# Altium PCB Evaluation Board.PcbDoc (part 21 of 22)
Units mm, origin at the board's own origin, x right, y up, seen from the top; angles counter-clockwise.
Board outline 200 x 200 mm, 4 copper layers (Top Layer, GND, Power, Bottom Layer), stack 1.56 mm thick; 639 components, 758 nets, 3043 pads, 1306 vias.
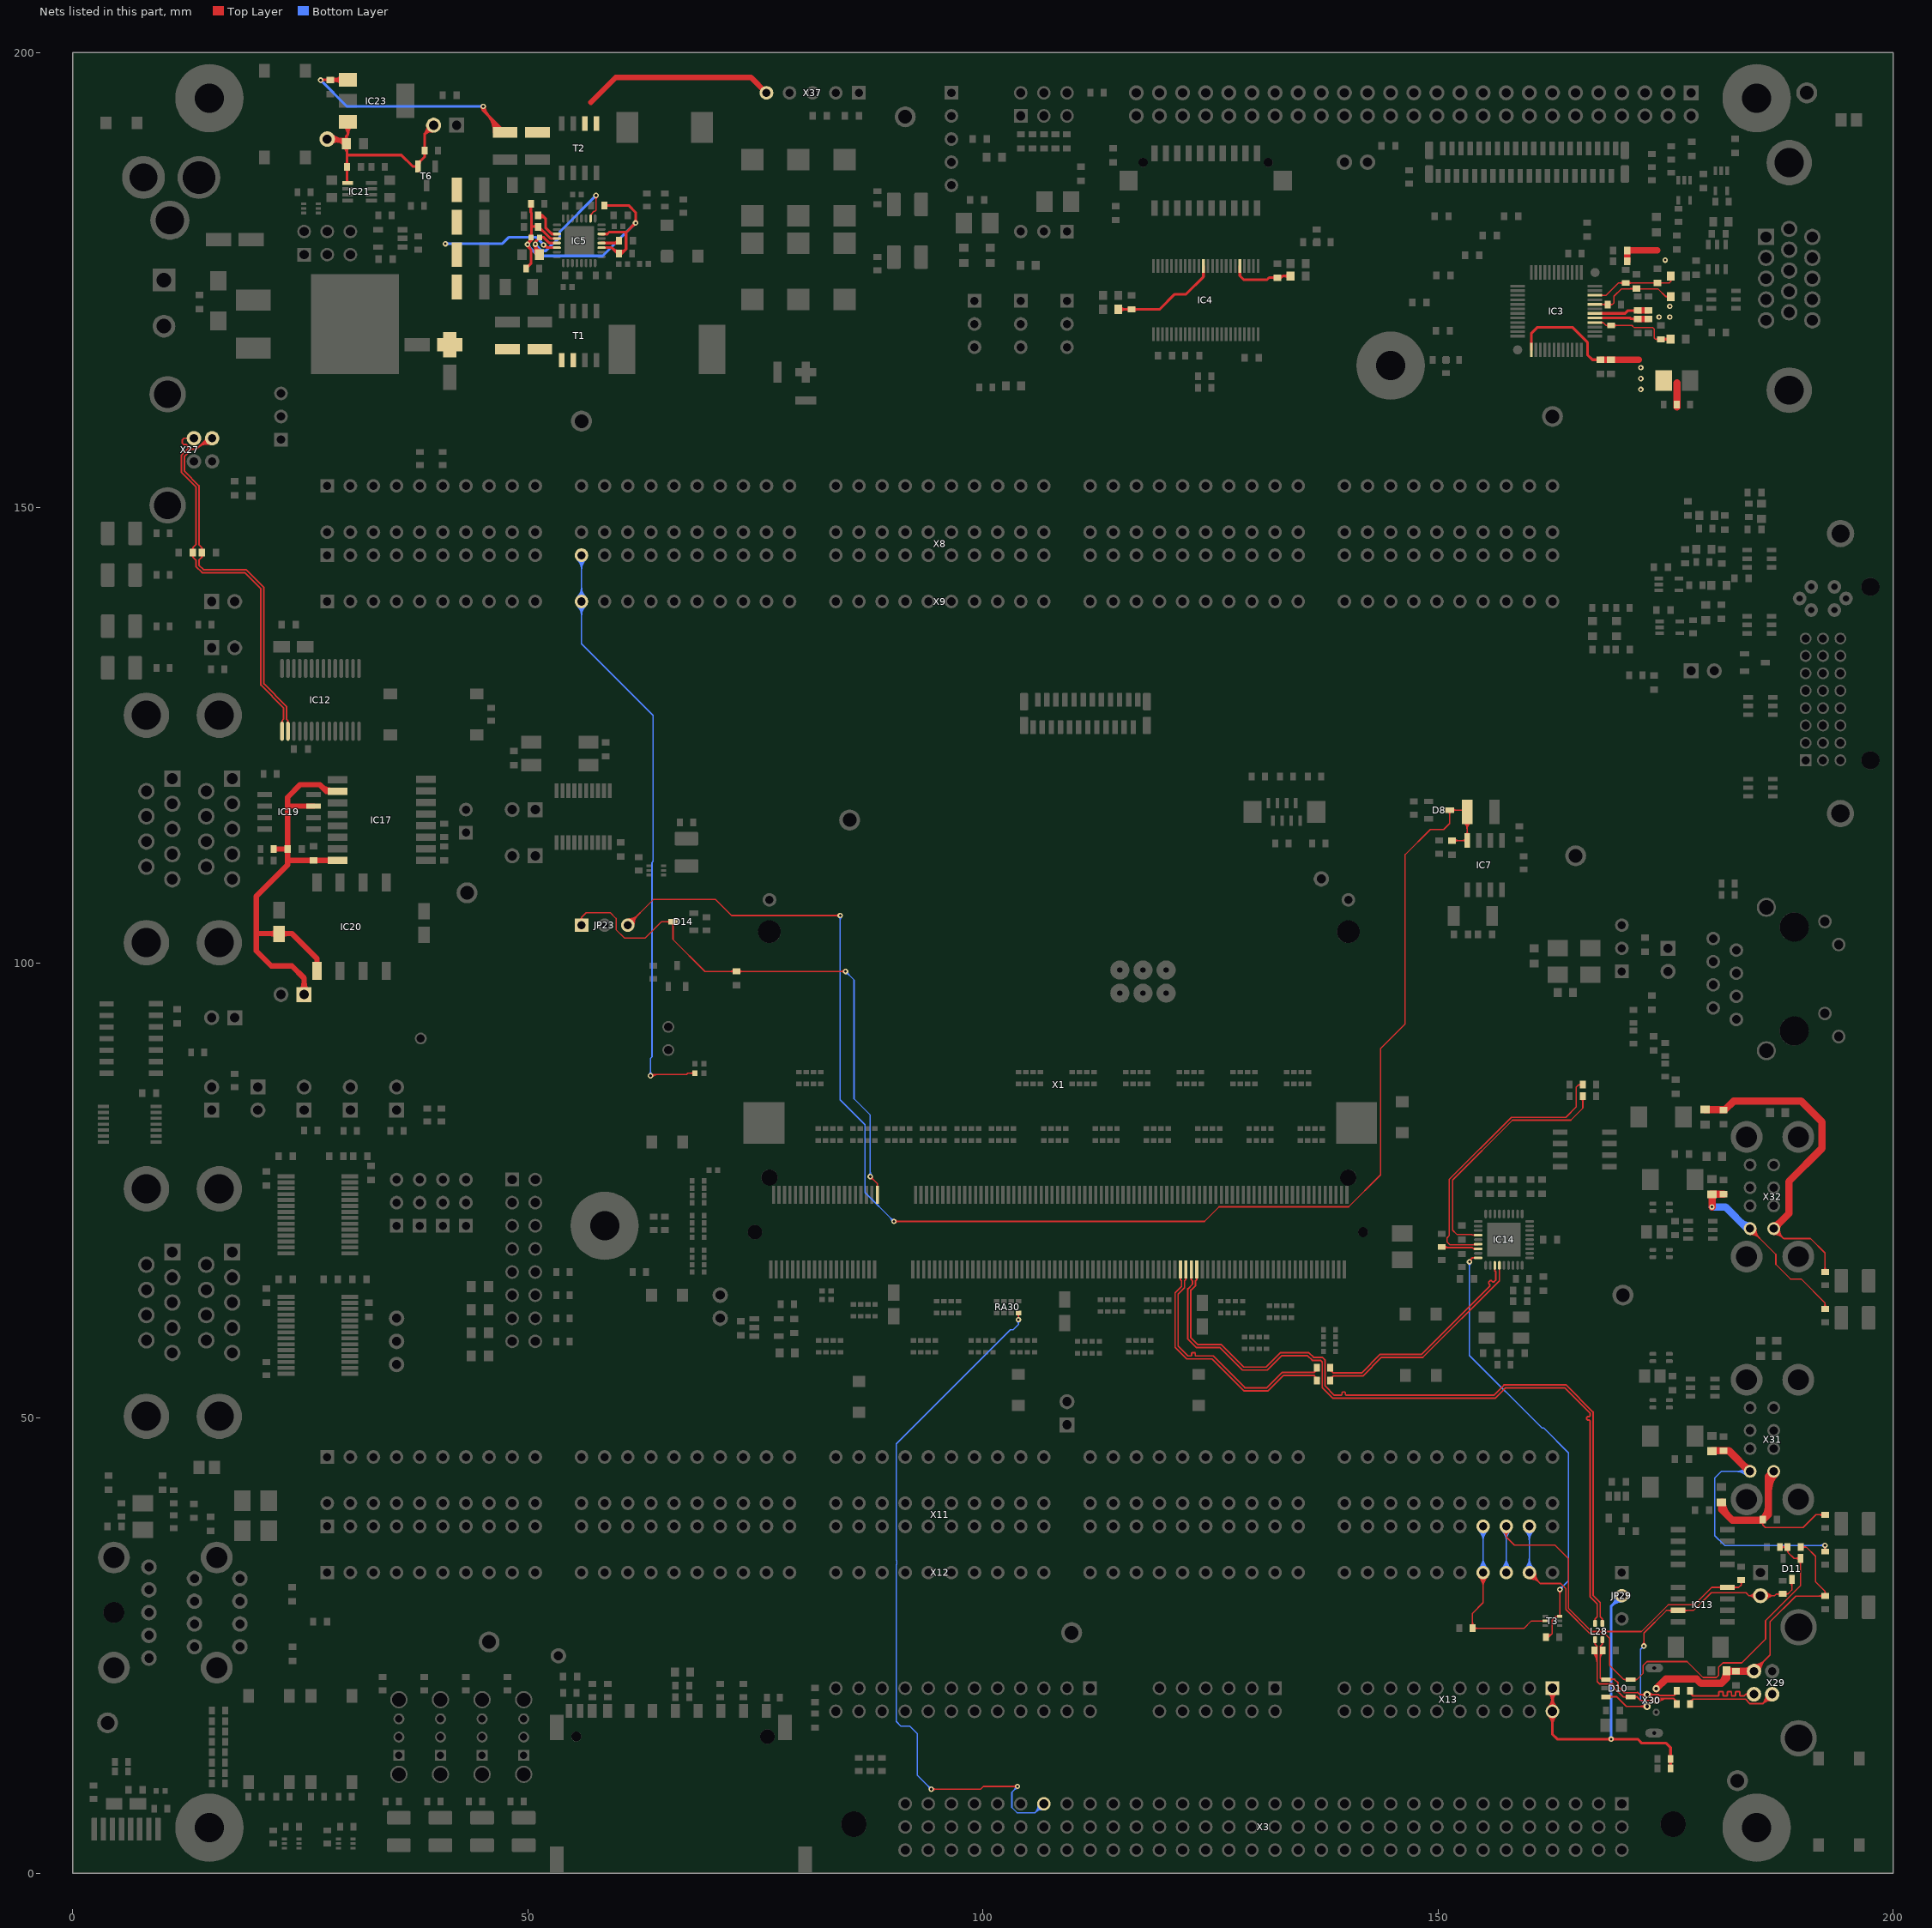
[diagram p23: the nets of this part, all layers, seen from the top]

## Via types
v1: diameter 0.6, hole 0.3, Top Layer to Bottom Layer, 1222 vias
v2: diameter 0.6, hole 0.3, Top Layer to Bottom Layer, tented both sides, 84 vias

## Nets (pads, with @x,y where several pads share a name; then routed paths per layer and width w, separated by ;. In a path a pad name is that pad's centre, name@x,y a point inside that pad or via, vN(x,y) a via of type N, cw(c..) or ccw(c..) an arc to the next point about the centre after c; other vN are vias at no path point) (continued)
USB_C_DET: D10.3 D11.1 R73.1 R74.2 X11.A49 X12.49 | length 80.3
  Top Layer w0.15: X12.49@160.02,32.345 cw(c160.02,30.715) 161.172,31.868 cw(c162.325,33.02) X12.49@160.695,33.02 ; X12.49@160.02,32.495 cw(c160.02,31.228) 160.916,32.124 cw(c161.812,33.02) X12.49@160.545,33.02 ; X12.49@160.02,32.645 cw(c160.02,31.74) 160.66,32.38 cw(c161.3,33.02) X12.49@160.395,33.02 ; X12.49@160.02,33.02 161.215,31.825 163.456,31.825 164.025,31.256 164.025,28.968 166.75,26.244 168.4,26.244 168.825,25.819 168.825,22.85 170.406,21.269 D10.3@171.147,21.269 171.844,21.269 ; D10.3@170.748,21.145 ccw(c170.449,20.847) 170.449,21.269 ccw(c170.449,21.692) D10.3@170.748,21.393 ; D10.3@171.545,21.145 cw(c171.844,20.847) 171.844,21.269 ; D10.3@171.545,21.393 ccw(c171.844,21.692) 171.844,21.269 ; R74.2@187.549,35.819 R73.1@188.385,35.819 188.431,35.773 188.431,35.246 189.096,34.581 D11.1@189.806,34.581 ; R74.2@187.726,35.642 cw(c188.153,35.215) 188.153,35.819 cw(c188.153,36.422) R74.2@187.726,35.995 ; R73.1@188.208,35.642 ccw(c187.781,35.215) 187.781,35.819 ccw(c187.781,36.422) R73.1@188.208,35.995 ; R73.1@188.275,35.494 cw(c188.152,35.243) 188.431,35.243 cw(c188.836,35.243) R73.1@188.557,35.537 ; D11.1@189.647,34.222 cw(c189.277,33.852) 189.8,33.852 ; D11.1@189.647,34.422 ccw(c189.263,34.038) 189.263,34.581 ccw(c189.263,35.124) D11.1@189.647,34.74 ; 189.8,33.823 cw(c190.364,33.823) D11.1@189.965,34.222 ; D11.1@189.8,34.575 189.8,31.566 185.975,27.741 185.975,25.725 183.35,23.1 181.275,23.1 180.825,22.65 180.825,21.75 180.575,21.5 179.1,21.5 177.354,23.246 172.946,23.246 172.536,22.836 172.536,21.961 171.844,21.269 ; D11.1@189.8,34.677 D11.1@189.806,34.683
  Bottom Layer w0.15: X12.49@159.543,33.497 ccw(c158.39,34.65) 160.02,34.65 ccw(c161.65,34.65) X12.49@160.497,33.497 ; X11.A49@159.543,37.623 cw(c158.39,36.47) 160.02,36.47 cw(c161.65,36.47) X11.A49@160.497,37.623 ; X12.49@159.649,33.391 ccw(c158.753,34.287) 160.02,34.287 ccw(c161.287,34.287) X12.49@160.391,33.391 ; X11.A49@159.649,37.729 cw(c158.753,36.833) 160.02,36.833 cw(c161.287,36.833) X11.A49@160.391,37.729 ; X12.49@159.755,33.285 ccw(c159.115,33.925) 160.02,33.925 ccw(c160.925,33.925) X12.49@160.285,33.285 ; X11.A49@159.755,37.835 cw(c159.115,37.195) 160.02,37.195 cw(c160.925,37.195) X11.A49@160.285,37.835 ; X12.49@160.02,33.02 X11.A49@160.02,38.1
USB_CFG_SEL1: IC14.25 R84.1 R85.1 | length 7.6
  Top Layer w0.15: R84.1@150.368,68.797 150.44,68.725 153.75,68.725 ; 153.91,68.565 ccw(c154.038,68.692) IC14.25@154.105,68.525 ; IC14.25@154.024,68.542 ccw(c153.896,68.414) 153.896,68.595 ccw(c153.896,68.776) IC14.25@154.024,68.648 ; IC14.25@154.049,68.664 cw(c153.946,68.92) 153.75,68.725 ; IC14.25@154.402,68.595 153.88,68.595 153.75,68.725 ; R84.1@150.539,68.868 ccw(c150.883,69.212) 150.883,68.725 cw(c150.883,69.212) R84.1@150.539,68.868 ; R84.1@150.645,68.62 cw(c150.898,68.367) 150.898,68.725 ccw(c150.898,68.367) R84.1@150.645,68.62 ; R84.1@150.645,68.974 ccw(c151.245,69.574) 151.245,68.725 cw(c151.245,69.574) R84.1@150.645,68.974
USB_ID: D10.6 D11.3 IC13.3 JP2.2 R71.2 X30.4 | length 50.6
  Top Layer w0.15: v1@172.441,25.109 ccw(c172.057,25.493) 172.6,25.493 ccw(c173.143,25.493) v1@172.759,25.109 ; v1(172.6,24.95) 172.6,26.375 175.084,28.859 IC13.3@176.37,28.859 178.059,28.859 180,30.8 183.825,30.8 184.145,30.48 ; IC13.3@175.711,28.7 ccw(c175.327,28.316) 175.327,28.859 ccw(c175.327,29.402) IC13.3@175.711,29.018 ; IC13.3@177.029,28.7 cw(c177.413,28.316) 177.413,28.859 cw(c177.413,29.402) IC13.3@177.029,29.018 ; JP2.2@184.764,30.116 ccw(c184.145,29.771) 184.145,30.48 ; JP2.2@184.764,30.844 cw(c184.145,31.189) 184.145,30.48 ; JP2.2@184.896,30.188 ccw(c184.4,29.913) 184.4,30.48 ccw(c184.4,31.047) JP2.2@184.896,30.772 ; JP2.2@185.775,30.203 cw(c186.341,29.763) 186.341,30.48 cw(c186.341,31.197) JP2.2@185.775,30.757 ; JP2.2@185.893,30.111 cw(c186.648,29.523) 186.648,30.48 cw(c186.648,31.437) JP2.2@185.893,30.849 ; JP2.2@186.012,30.019 cw(c186.955,29.284) 186.955,30.48 ; JP2.2@186.012,30.941 ccw(c186.955,31.676) 186.955,30.48 ; 187.194,30.65 cw(c187.194,30.128) R71.2@187.563,30.497 ; R71.2@187.554,30.841 cw(c187.125,31.227) 187.125,30.65 ; R71.2@188.144,30.529 cw(c188.424,30.331) 188.424,30.674 ; R71.2@188.144,30.819 ccw(c188.424,31.017) 188.424,30.674 ; D11.3@188.697,31.922 cw(c188.313,31.538) 188.856,31.538 cw(c189.399,31.538) D11.3@189.015,31.922 ; D11.3@188.699,32.124 D11.3@188.856,32.281 188.856,31.106 188.424,30.674 ; 184.145,30.48 JP2.2@185.42,30.48 186.955,30.48 ; 186.955,30.48 187.125,30.65 ; 187.125,30.65 187.816,30.65 R71.2@187.84,30.674 188.424,30.674
  Top Layer w0.178: D10.6@168.446,19.369 169.625,19.369 170.673,18.321 X30.4@172.956,18.321 ; D10.6@168.835,19.255 cw(c169.11,18.98) 169.11,19.369 cw(c169.11,19.758) D10.6@168.835,19.483 ; X30.4@172.736,18.101 ccw(c172.205,17.57) 172.205,18.321 ccw(c172.205,19.072) X30.4@172.736,18.541
  Bottom Layer w0.15: v1@172.376,24.935 cw(c171.945,24.905) 172.25,24.6 ; v1@172.585,24.726 ccw(c172.555,24.295) 172.25,24.6 ; v1(172.6,24.95) 172.25,24.6 ; X30.4@172.631,18.321 ccw(c171.846,18.321) 172.401,18.876 ccw(c172.956,19.431) X30.4@172.956,18.646 ; X30.4@172.781,18.321 ccw(c172.359,18.321) 172.657,18.62 ccw(c172.956,18.918) X30.4@172.956,18.496 ; X30.4@172.956,18.321 172.25,19.027 172.25,24.6
USB_OC#: IC13.8 R70.1 X11.A48 X12.48 | length 59.2
  Top Layer w0.15: X11.A48@157.149,37.512 cw(c156.829,36.945) 157.48,36.945 ; X11.A48@157.222,37.643 cw(c156.974,37.202) 157.48,37.202 cw(c157.986,37.202) X11.A48@157.738,37.643 ; X11.A48@157.48,38.1 157.48,36.945 ; X11.A48@157.811,37.512 ccw(c158.131,36.945) 157.48,36.945 ; IC13.8@181.111,31.24 ccw(c180.727,30.856) 180.727,31.399 ccw(c180.727,31.942) IC13.8@181.111,31.558 ; IC13.8@182.429,31.24 cw(c182.813,30.856) 182.813,31.399 cw(c182.813,31.942) IC13.8@182.429,31.558 ; R70.1@183.137,32.028 cw(c182.816,31.664) 183.302,31.664 ; R70.1@183.302,32.216 183.302,31.664 ; R70.1@183.467,32.028 ccw(c183.787,31.664) 183.302,31.664 ; 157.48,36.945 158.375,36.05 162.825,36.05 164.325,34.55 164.325,29.093 166.874,26.544 172.344,26.544 175.276,29.475 178.125,29.475 180.049,31.399 IC13.8@181.77,31.399 183.037,31.399 183.302,31.664
  Bottom Layer w0.15: X12.48@157.003,33.497 ccw(c155.85,34.65) 157.48,34.65 ccw(c159.11,34.65) X12.48@157.957,33.497 ; X11.A48@157.003,37.623 cw(c155.85,36.47) 157.48,36.47 cw(c159.11,36.47) X11.A48@157.957,37.623 ; X12.48@157.109,33.391 ccw(c156.213,34.287) 157.48,34.287 ccw(c158.747,34.287) X12.48@157.851,33.391 ; X11.A48@157.109,37.729 cw(c156.213,36.833) 157.48,36.833 cw(c158.747,36.833) X11.A48@157.851,37.729 ; X12.48@157.215,33.285 ccw(c156.575,33.925) 157.48,33.925 ccw(c158.385,33.925) X12.48@157.745,33.285 ; X11.A48@157.215,37.835 cw(c156.575,37.195) 157.48,37.195 cw(c158.385,37.195) X11.A48@157.745,37.835 ; X12.48@157.48,33.02 X11.A48@157.48,38.1
USB_PE: IC14.27 R140.1 T3.6 | length 54.7
  Top Layer w0.15: v1@153.429,67.323 153.701,67.595 ; v1@153.509,67.19 cw(c153.71,67.288) 153.552,67.446 ; v1@153.644,67.256 cw(c153.91,67.385) 153.701,67.595 ; IC14.27@154.024,67.542 ccw(c153.896,67.414) 153.896,67.595 ccw(c153.896,67.776) IC14.27@154.024,67.648 ; IC14.27@154.402,67.595 153.701,67.595 ; R140.1@161.724,25.87 ccw(c161.905,26.143) R140.1@162.136,25.911 ; R140.1@161.807,25.995 ccw(c162.009,26.298) 162.266,26.041 ; R140.1@161.835,25.937 162.162,25.937 ; R140.1@161.89,26.12 ccw(c162.112,26.454) 162.395,26.17 ; R140.1@161.973,26.245 ccw(c162.216,26.609) 162.525,26.3 ; R140.1@162.076,25.871 cw(c162.162,25.848) 162.162,25.937 ; R140.1@162.076,26.003 ccw(c162.162,26.026) 162.162,25.937 ; T3.6@163.162,28.162 ccw(c163.034,28.034) 163.034,28.215 ccw(c163.034,28.396) T3.6@163.162,28.268 ; v1@163.214,31.007 cw(c162.83,30.623) 163.373,30.623 cw(c163.916,30.623) v1@163.532,31.007 ; T3.6@163.297,28.268 ccw(c163.114,28.451) 163.373,28.451 ; v1(163.373,31.166) 163.373,28.238 T3.6@163.35,28.215 162.94,28.215 162.525,27.8 162.525,26.3 ; 162.162,25.937 162.525,26.3
  Bottom Layer w0.15: v1@153.282,66.999 cw(c152.898,66.614) 153.441,66.614 cw(c153.985,66.614) v1@153.6,66.999 ; v1(153.441,67.158) 153.441,56.866 161.408,48.9 161.607,48.9 164.325,46.182 164.325,32.118 v1(163.373,31.166) ; v1@163.373,31.391 ccw(c163.373,31.934) 163.757,31.55 ccw(c164.141,31.166) v1@163.598,31.166
USB_PE#: R173.2 T3.2 X11.A47 X12.47 | length 40.1
  Top Layer w0.15: R173.2@153.598,27.176 ccw(c153.171,27.603) 153.775,27.603 ccw(c154.379,27.603) R173.2@153.952,27.176 ; R173.2@153.952,26.722 cw(c154.379,26.295) 154.379,26.899 cw(c154.379,27.503) R173.2@153.952,27.076 ; X12.47@154.463,32.543 cw(c153.31,31.39) 154.94,31.39 cw(c156.57,31.39) X12.47@155.417,32.543 ; X12.47@154.569,32.649 cw(c153.673,31.753) 154.94,31.753 cw(c156.207,31.753) X12.47@155.311,32.649 ; X12.47@154.675,32.755 cw(c154.035,32.115) 154.94,32.115 cw(c155.845,32.115) X12.47@155.205,32.755 ; X12.47@154.94,33.02 154.94,29.715 153.775,28.55 R173.2@153.775,26.899 159.429,26.899 160.245,27.715 T3.2@161.77,27.715 ; T3.2@161.582,27.662 ccw(c161.454,27.534) 161.454,27.715 ccw(c161.454,27.896) T3.2@161.582,27.768
  Bottom Layer w0.15: X12.47@154.463,33.497 ccw(c153.31,34.65) 154.94,34.65 ccw(c156.57,34.65) X12.47@155.417,33.497 ; X11.A47@154.463,37.623 cw(c153.31,36.47) 154.94,36.47 cw(c156.57,36.47) X11.A47@155.417,37.623 ; X12.47@154.569,33.391 ccw(c153.673,34.287) 154.94,34.287 ccw(c156.207,34.287) X12.47@155.311,33.391 ; X11.A47@154.569,37.729 cw(c153.673,36.833) 154.94,36.833 cw(c156.207,36.833) X11.A47@155.311,37.729 ; X12.47@154.675,33.285 ccw(c154.035,33.925) 154.94,33.925 ccw(c155.845,33.925) X12.47@155.205,33.285 ; X11.A47@154.675,37.835 cw(c154.035,37.195) 154.94,37.195 cw(c155.845,37.195) X11.A47@155.205,37.835 ; X12.47@154.94,33.02 X11.A47@154.94,38.1
USB_SCL: IC14.24 R83.2 R145.1 | length 32.3
  Top Layer w0.15: 153.728,69.025 ccw(c153.728,69.444) IC14.24@154.024,69.148 ; IC14.24@154.402,69.095 154.333,69.025 151.293,69.025 150.982,69.336 150.982,69.793 151.2,70.011 151.2,76.182 158.043,83.025 164.025,83.025 165.175,84.175 165.175,86.35 165.439,86.614 ; R145.1@165.899,86.614 165.439,86.614 ; 165.439,86.614 ccw(c165.439,86.909) 165.688,86.75 cw(c165.439,86.909) 165.439,86.614 ; 165.439,86.614 cw(c165.439,86.316) 165.688,86.479 ccw(c165.439,86.316) 165.439,86.614
USB_SDA: IC14.22 R81.2 R144.1 | length 29.6
  Top Layer w0.15: IC14.22@154.024,70.042 ccw(c153.896,69.914) 153.896,70.095 ccw(c153.896,70.276) IC14.22@154.024,70.148 ; IC14.22@154.402,70.095 153.754,70.095 153.673,70.175 152.05,70.175 151.6,70.625 151.6,76.157 158.168,82.725 164.575,82.725 165.899,84.049 R144.1@165.899,85.344 ; R144.1@165.721,85.068 cw(c165.292,84.639) 165.899,84.639 ccw(c165.292,84.639) R144.1@165.721,85.068 ; 165.899,84.644 cw(c166.499,84.644) 166.075,85.068 ccw(c166.499,84.644) 165.899,84.644
USBC_B_N: R187.2 X29.2 | length 10.9
  Top Layer w0.178: R187.2@177.664,19.692 cw(c177.664,19.458) R187.2@177.83,19.623 ; R187.2@177.679,19.774 177.998,19.455 ; R187.2@177.891,19.864 ccw(c178.294,19.751) 177.998,19.455 ; X29.2@184.008,19.49 ccw(c183.8,19.44) 183.8,19.654 ; X29.2@184.008,19.818 cw(c183.8,19.868) 183.8,19.654 ; X29.2@184.7,19.654 183.8,19.654 ; 177.998,19.455 180.784,19.455 180.853,19.524 180.853,19.882 180.921,19.951 181.242,19.951 181.31,19.882 181.31,19.524 181.379,19.455 181.699,19.455 181.768,19.524 181.768,19.882 181.837,19.951 182.157,19.951 182.226,19.882 182.226,19.524 182.295,19.455 182.615,19.455 182.684,19.524 182.684,19.882 182.752,19.951 183.073,19.951 183.142,19.882 183.142,19.524 183.21,19.455 183.601,19.455 183.8,19.654
USBC_B_P: R188.2 X29.3 | length 14.1
  Top Layer w0.178: R188.2@177.664,18.935 ccw(c177.664,19.284) 177.91,19.037 ; R188.2@177.728,18.855 177.998,19.125 ; R188.2@177.894,18.754 cw(c178.276,18.847) 177.998,19.125 ; X29.3@185.994,19.572 cw(c184.839,19.437) 185.661,18.615 ; X29.3@186.17,19.592 cw(c185.305,19.491) 185.921,18.875 cw(c186.537,18.259) X29.3@186.638,19.124 ; X29.3@186.618,18.948 ccw(c186.483,17.793) 185.661,18.615 ; X29.3@186.7,19.654 185.661,18.615 ; 177.998,19.125 183.76,19.125 184.27,18.615 185.661,18.615
USBC_C_N: D10.4 L28.4 R68.2 R187.1 X30.2 | length 19.7
  Top Layer w0.15: D10.4@168.446,21.269 D10.4@168.477,21.3 ; 170.431,19.844 171.854,19.844
  Top Layer w0.178: 167.805,21.431 167.805,23.75 167.805,24.937 168.04,25.172 L28.4@168.04,25.644 ; 167.805,23.69 cw(c168.281,23.69) R68.2@168.149,24.148 ; 167.805,23.927 cw(c168.213,23.927) R68.2@168.1,24.319 ; R68.2@167.805,24.163 cw(c168.145,24.163) R68.2@168.05,24.489 ; L28.4@167.954,25.393 cw(c167.748,25.186) 168.04,25.186 cw(c168.332,25.186) L28.4@168.126,25.393 ; D10.4@168.083,21.404 cw(c167.968,21.58) 167.819,21.431 167.981,21.269 D10.4@168.446,21.269 ; D10.4@168.477,21.3 169.375,21.3 169.775,20.9 169.775,20.5 170.431,19.844 ; D10.4@168.835,21.155 cw(c169.185,20.806) 169.185,21.3 ; D10.4@168.835,21.383 ccw(c169.036,21.583) 169.036,21.3 ; 171.854,19.844 171.956,19.844 172.2,19.6 ; 172.256,19.6 cw(c172.256,18.921) X30.2@172.736,19.401 ; X30.2@172.727,19.831 cw(c172.2,20.315) 172.2,19.6 ; X30.2@173.176,19.401 cw(c173.68,18.897) 173.68,19.61 ; X30.2@173.176,19.841 ccw(c173.734,20.399) 173.734,19.61 ; R187.1@175.988,19.859 cw(c175.649,19.755) 175.9,19.504 ; 175.998,19.603 cw(c176.214,19.387) R187.1@176.214,19.692 ; R187.1@176.17,19.774 175.9,19.504 ; 172.2,19.6 172.935,19.6 X30.2@172.956,19.621 172.967,19.61 174.221,19.61 174.326,19.504 175.9,19.504
USBC_C_P: D10.1 L28.3 R69.2 R188.1 X30.3 | length 23.1
  Top Layer w0.15: 167.731,20.794 169.154,20.794
  Top Layer w0.178: R69.2@167.004,24.208 cw(c165.868,23.071) 167.475,23.071 ; R69.2@167.13,24.333 cw(c166.297,23.501) 167.475,23.501 ; L28.3@167.154,25.393 cw(c166.948,25.186) 167.24,25.186 cw(c167.532,25.186) L28.3@167.326,25.393 ; L28.3@167.24,25.644 167.24,25.172 167.475,24.937 167.475,21.05 167.731,20.794 ; R69.2@167.256,24.459 cw(c166.727,23.93) 167.475,23.93 ; 169.154,20.794 169.319,20.629 169.319,20.365 170.33,19.354 171.131,19.354 D10.1@171.147,19.369 171.864,19.369 172.251,18.982 173.945,18.982 X30.3@173.956,18.971 174.159,19.174 175.9,19.174 ; 170.446,19.354 ccw(c170.446,19.795) D10.1@170.758,19.483 ; 170.519,19.354 cw(c170.519,19.017) D10.1@170.758,19.255 ; D10.1@171.535,19.255 cw(c171.81,18.98) 171.81,19.369 cw(c171.81,19.758) D10.1@171.535,19.483 ; 173.178,18.982 cw(c173.178,18.193) X30.3@173.736,18.751 ; 173.232,18.982 ccw(c173.232,19.695) X30.3@173.736,19.191 ; X30.3@173.925,19.002 cw(c174.339,18.588) 174.339,19.174 ; X30.3@174.05,18.877 cw(c174.769,18.158) 174.769,19.174 ; X30.3@174.176,18.751 cw(c175.198,17.729) 175.198,19.174 ; R188.1@175.991,18.777 ccw(c175.629,18.903) 175.9,19.174 ; R188.1@176.219,18.855 175.9,19.174
USBC_N: L28.1 X1.145 | length 84.2
  Top Layer w0.15: 137.575,53.55 137.575,56.367
  Top Layer w0.178: X1.145@123.421,65.431 cw(c123.274,65.284) 123.482,65.284 cw(c123.69,65.284) X1.145@123.543,65.431 ; X1.145@123.482,66.316 123.482,65.227 123.347,65.092 123.343,65.088 123.343,64.563 122.83,64.051 122.83,58.812 123.581,58.061 126.189,58.061 128.65,55.6 131.075,55.6 132.65,57.175 135.8,57.175 136.3,56.675 137.267,56.675 137.575,56.367 ; 137.575,53.55 137.575,53.525 138.6,52.5 139.243,52.5 139.337,52.5 139.432,52.594 139.432,52.768 139.526,52.863 139.715,52.863 139.809,52.768 139.809,52.594 139.904,52.5 141.58,52.5 156.1,52.5 157.23,53.63 164.062,53.63 167.023,50.669 167.023,30.519 167.805,29.737 167.805,28.15 168.04,27.915 L28.1@168.04,27.444 ; L28.1@167.954,27.694 ccw(c167.748,27.901) 168.04,27.901 ccw(c168.332,27.901) L28.1@168.126,27.694
USBC_P: L28.2 X1.143 | length 84.2
  Top Layer w0.15: 137.259,56.141 137.259,53.361 137.27,53.35
  Top Layer w0.178: X1.143@122.821,65.431 cw(c122.674,65.284) 122.882,65.284 cw(c123.09,65.284) X1.143@122.943,65.431 ; X1.143@122.882,66.316 122.882,65.201 123.008,65.075 123.008,64.696 122.5,64.187 122.5,58.675 123.444,57.731 126.052,57.731 128.513,55.27 131.212,55.27 132.787,56.845 135.663,56.845 136.163,56.345 137.055,56.345 137.259,56.141 ; 137.27,53.35 138.45,52.17 156.237,52.17 157.367,53.3 163.925,53.3 166.692,50.533 166.692,50.249 166.598,50.155 166.403,50.155 166.308,50.06 166.308,49.871 166.403,49.777 166.598,49.777 166.692,49.682 166.692,48.26 166.692,30.383 167.475,29.6 167.475,28.15 167.24,27.915 L28.2@167.24,27.444 ; L28.2@167.154,27.694 ccw(c166.948,27.901) 167.24,27.901 ccw(c167.532,27.901) L28.2@167.326,27.694
USBD_N: C112.2 IC12.16 X27.2 | length 48.5
  Top Layer w0.178: 13.73,156.593 cw(c14.719,155.605) X27.2@15.104,156.948 ; 13.944,156.806 cw(c14.814,155.936) X27.2@15.153,157.119 ; C112.2@14.041,145.381 ccw(c13.907,145.611) 14.173,145.611 ; C112.2@14.046,144.778 cw(c13.924,144.561) 14.173,144.561 ; 14.157,157.02 cw(c14.909,156.268) X27.2@15.202,157.29 ; C112.2@14.3,144.778 ccw(c14.422,144.561) 14.173,144.561 ; C112.2@14.305,145.381 cw(c14.439,145.611) 14.173,145.611 ; 14.371,157.233 cw(c15.004,156.6) X27.2@15.251,157.461 ; 14.461,157.324 ccw(c14.154,157.632) X27.2@14.589,157.632 ; X27.2@15.3,157.632 14.769,157.632 13.568,156.431 13.031,156.431 12.261,155.661 12.261,154.006 13.843,152.424 13.843,145.941 14.173,145.611 ; IC12.16@23.547,126.375 ccw(c23.357,126.565) 23.625,126.565 ccw(c23.894,126.565) IC12.16@23.704,126.375 ; IC12.16@23.625,125.446 23.625,126.61 23.466,126.77 23.466,128.176 20.98,130.662 20.98,141.237 19.017,143.2 14.335,143.2 13.843,143.692 13.843,144.231 14.173,144.561 ; 14.173,144.561 C112.2@14.173,145.081 14.173,145.611
USBD_P: C113.2 IC12.15 X27.3 | length 43.3
  Top Layer w0.178: C113.2@13.051,145.381 ccw(c12.917,145.611) 13.183,145.611 ; C113.2@13.056,144.778 cw(c12.934,144.561) 13.183,144.561 ; X27.3@13.3,157.632 12.194,157.632 12.024,157.462 12.024,157.089 12.159,156.954 12.436,156.954 12.685,156.705 12.685,156.552 11.931,155.798 11.931,153.869 13.513,152.287 13.513,145.941 13.183,145.611 ; C113.2@13.31,144.778 ccw(c13.432,144.561) 13.183,144.561 ; C113.2@13.315,145.381 cw(c13.449,145.611) 13.183,145.611 ; IC12.15@22.897,126.375 ccw(c22.648,126.624) 23,126.624 ; IC12.15@23,125.471 23,126.625 23.135,126.76 23.135,128.04 20.65,130.525 20.65,141.1 18.88,142.87 14.198,142.87 13.513,143.555 13.513,144.231 13.183,144.561 ; 23,126.505 ccw(c23.184,126.505) IC12.15@23.054,126.375 ; 13.183,144.561 C113.2@13.183,145.081 13.183,145.611
USBH_N: IC14.30 R103.2 | length 25.6
  Top Layer w0.178: R103.2@137.904,55.275 138.154,55.275 138.473,54.956 cw(c138.769,55.251) R103.2@138.366,55.365 ; R103.2@138.139,55.193 cw(c138.139,54.958) R103.2@138.305,55.124 ; 138.475,54.956 141.595,54.956 143.645,57.005 148.18,57.005 155.6,64.425 155.676,64.501 155.676,64.652 155.552,64.776 155.552,64.927 155.704,65.078 155.855,65.078 155.979,64.955 156.13,64.955 156.179,65.004 156.312,65.137 156.312,66.088 156.227,66.173 IC14.30@156.227,66.77
USBH_P: IC14.31 R102.2 | length 25.6
  Top Layer w0.178: R102.2@137.904,54.356 138.203,54.356 138.473,54.626 ccw(c138.751,54.347) R102.2@138.369,54.255 ; R102.2@138.139,54.436 ccw(c138.139,54.785) 138.385,54.538 ; 138.475,54.626 141.732,54.626 143.781,56.675 148.317,56.675 156.727,65.085 IC14.31@156.727,66.77
USBH_S_N: R103.1 X1.141 | length 28.5
  Top Layer w0.178: X1.141@122.221,65.431 cw(c122.074,65.284) 122.282,65.284 cw(c122.49,65.284) X1.141@122.343,65.431 ; X1.141@122.282,66.316 122.282,65.227 122.147,65.092 122.139,65.084 122.139,64.322 121.425,63.608 121.425,57.9 122.5,56.825 122.707,56.825 122.85,56.825 122.911,56.886 122.911,57.118 122.972,57.179 123.258,57.179 123.319,57.118 123.319,56.886 123.38,56.825 123.85,56.825 125.275,56.825 128.775,53.325 131.175,53.325 132.855,55.005 136.375,55.005 ; R103.1@136.463,55.36 cw(c136.124,55.256) 136.375,55.005 ; 136.473,55.103 cw(c136.689,54.888) R103.1@136.689,55.193 ; R103.1@136.925,55.275 136.645,55.275 136.375,55.005